# KiCad board INS-1 Matrix Display.kicad_pcb (continued)
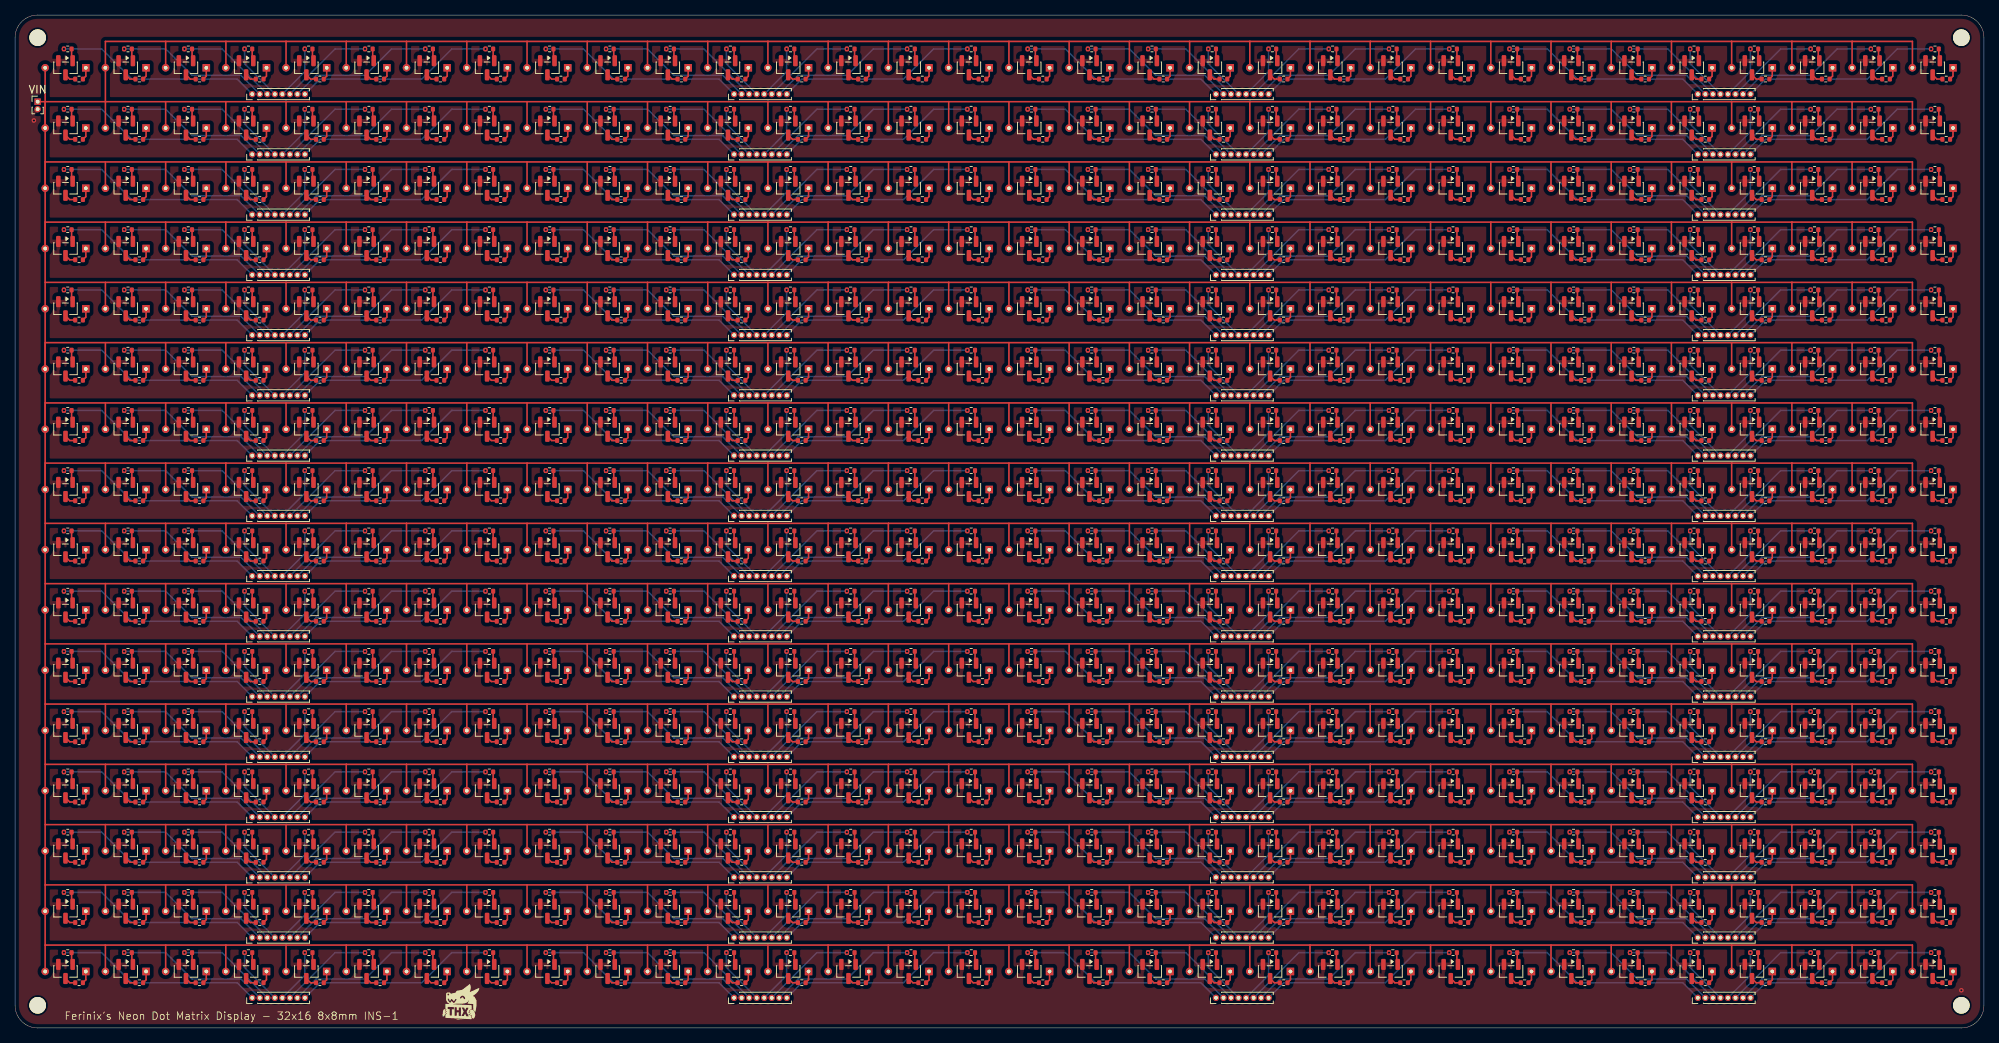
[diagram p0: board, top side]
## Placement (name value [footprint] x y rotation side) (continued)
REF**#33  INS-1  [INS-1 Footprint]  246.69 79.5 0 top
REF**#34  INS-1  [INS-1 Footprint]  118.69 39.5 0 top
REF**#35  INS-1  [INS-1 Footprint]  190.69 23.5 0 top
REF**#36  INS-1  [INS-1 Footprint]  214.7 95.5 0 top
REF**#37  INS-1  [INS-1 Footprint]  6.7 127.5 0 top
REF**#38  INS-1  [INS-1 Footprint]  86.7 95.5 0 top
REF**#39  INS-1  [INS-1 Footprint]  190.69 127.5 0 top
REF**#40  INS-1  [INS-1 Footprint]  38.69 71.5 0 top
REF**#41  INS-1  [INS-1 Footprint]  134.7 87.5 0 top
REF**#42  INS-1  [INS-1 Footprint]  102.69 111.5 0 top
REF**#43  INS-1  [INS-1 Footprint]  110.69 15.5 0 top
REF**#44  INS-1  [INS-1 Footprint]  134.7 7.5 0 top
REF**#45  INS-1  [INS-1 Footprint]  14.7 71.5 0 top
REF**#46  INS-1  [INS-1 Footprint]  62.69 79.5 0 top
REF**#47  INS-1  [INS-1 Footprint]  206.7 111.5 0 top
REF**#48  INS-1  [INS-1 Footprint]  38.69 63.5 0 top
REF**#49  INS-1  [INS-1 Footprint]  86.7 7.5 0 top
REF**#50  INS-1  [INS-1 Footprint]  6.7 39.5 0 top
REF**#51  INS-1  [INS-1 Footprint]  62.69 47.5 0 top
REF**#52  INS-1  [INS-1 Footprint]  118.69 63.5 0 top
REF**#53  INS-1  [INS-1 Footprint]  166.69 127.5 0 top
REF**#54  INS-1  [INS-1 Footprint]  94.69 79.5 0 top
REF**#55  INS-1  [INS-1 Footprint]  166.69 111.5 0 top
REF**#56  INS-1  [INS-1 Footprint]  14.7 127.5 0 top
REF**#57  INS-1  [INS-1 Footprint]  206.7 31.5 0 top
REF**#58  INS-1  [INS-1 Footprint]  230.69 7.5 0 top
REF**#59  INS-1  [INS-1 Footprint]  182.69 79.5 0 top
REF**#60  INS-1  [INS-1 Footprint]  110.69 95.5 0 top
REF**#61  INS-1  [INS-1 Footprint]  6.7 87.5 0 top
REF**#62  INS-1  [INS-1 Footprint]  246.69 31.5 0 top
REF**#63  INS-1  [INS-1 Footprint]  6.7 111.5 0 top
REF**#64  INS-1  [INS-1 Footprint]  62.69 87.5 0 top
REF**#65  INS-1  [INS-1 Footprint]  150.7 103.5 0 top
REF**#66  INS-1  [INS-1 Footprint]  190.69 31.5 0 top
REF**#67  INS-1  [INS-1 Footprint]  158.69 63.5 0 top
REF**#68  INS-1  [INS-1 Footprint]  174.69 39.5 0 top
REF**#69  INS-1  [INS-1 Footprint]  78.7 7.5 0 top
REF**#70  INS-1  [INS-1 Footprint]  54.69 55.5 0 top
REF**#71  INS-1  [INS-1 Footprint]  118.69 87.5 0 top
REF**#72  INS-1  [INS-1 Footprint]  110.69 103.5 0 top
REF**#73  INS-1  [INS-1 Footprint]  182.69 7.5 0 top
REF**#74  INS-1  [INS-1 Footprint]  254.69 111.5 0 top
REF**#75  INS-1  [INS-1 Footprint]  110.69 127.5 0 top
REF**#76  INS-1  [INS-1 Footprint]  6.7 7.5 0 top
REF**#77  INS-1  [INS-1 Footprint]  22.7 31.5 0 top
REF**#78  INS-1  [INS-1 Footprint]  54.69 23.5 0 top
REF**#79  INS-1  [INS-1 Footprint]  62.69 103.5 0 top
REF**#80  INS-1  [INS-1 Footprint]  126.69 127.5 0 top
REF**#81  INS-1  [INS-1 Footprint]  126.69 87.5 0 top
REF**#82  INS-1  [INS-1 Footprint]  182.69 111.5 0 top
REF**#83  INS-1  [INS-1 Footprint]  182.69 71.5 0 top
REF**#84  INS-1  [INS-1 Footprint]  182.69 87.5 0 top
REF**#85  INS-1  [INS-1 Footprint]  230.69 95.5 0 top
REF**#86  INS-1  [INS-1 Footprint]  86.7 39.5 0 top
REF**#87  INS-1  [INS-1 Footprint]  38.69 127.5 0 top
REF**#88  INS-1  [INS-1 Footprint]  134.7 111.5 0 top
REF**#89  INS-1  [INS-1 Footprint]  158.69 15.5 0 top
REF**#90  INS-1  [INS-1 Footprint]  14.7 31.5 0 top
REF**#91  INS-1  [INS-1 Footprint]  78.7 79.5 0 top
REF**#92  INS-1  [INS-1 Footprint]  86.7 55.5 0 top
REF**#93  INS-1  [INS-1 Footprint]  134.7 63.5 0 top
REF**#94  INS-1  [INS-1 Footprint]  70.7 23.5 0 top
REF**#95  INS-1  [INS-1 Footprint]  86.7 63.5 0 top
REF**#96  INS-1  [INS-1 Footprint]  38.69 79.5 0 top
REF**#97  INS-1  [INS-1 Footprint]  30.69 71.5 0 top
REF**#98  INS-1  [INS-1 Footprint]  238.69 31.5 0 top
REF**#99  INS-1  [INS-1 Footprint]  198.7 71.5 0 top
REF**#100  INS-1  [INS-1 Footprint]  14.7 111.5 0 top
REF**#101  INS-1  [INS-1 Footprint]  182.69 23.5 0 top
REF**#102  INS-1  [INS-1 Footprint]  166.69 55.5 0 top
REF**#103  INS-1  [INS-1 Footprint]  86.7 23.5 0 top
REF**#104  INS-1  [INS-1 Footprint]  182.69 103.5 0 top
REF**#105  INS-1  [INS-1 Footprint]  182.69 127.5 0 top
REF**#106  INS-1  [INS-1 Footprint]  150.7 79.5 0 top
REF**#107  INS-1  [INS-1 Footprint]  182.69 15.5 0 top
REF**#108  INS-1  [INS-1 Footprint]  214.7 31.5 0 top
REF**#109  INS-1  [INS-1 Footprint]  222.69 23.5 0 top
REF**#110  INS-1  [INS-1 Footprint]  118.69 71.5 0 top
REF**#111  INS-1  [INS-1 Footprint]  230.69 47.5 0 top
REF**#112  INS-1  [INS-1 Footprint]  102.69 7.5 0 top
REF**#113  INS-1  [INS-1 Footprint]  254.69 119.5 0 top
REF**#114  INS-1  [INS-1 Footprint]  222.69 87.5 0 top
REF**#115  INS-1  [INS-1 Footprint]  174.69 87.5 0 top
REF**#116  INS-1  [INS-1 Footprint]  150.7 23.5 0 top
REF**#117  INS-1  [INS-1 Footprint]  78.7 111.5 0 top
REF**#118  INS-1  [INS-1 Footprint]  214.7 71.5 0 top
REF**#119  INS-1  [INS-1 Footprint]  174.69 79.5 0 top
REF**#120  INS-1  [INS-1 Footprint]  94.69 55.5 0 top
REF**#121  INS-1  [INS-1 Footprint]  150.7 71.5 0 top
REF**#122  INS-1  [INS-1 Footprint]  30.69 7.5 0 top
REF**#123  INS-1  [INS-1 Footprint]  150.7 31.5 0 top
REF**#124  -  [MountingHole_2.2mm_M2]  258.5 3 0 top
REF**#125  INS-1  [INS-1 Footprint]  246.69 55.5 0 top
REF**#126  INS-1  [INS-1 Footprint]  222.69 7.5 0 top
REF**#127  INS-1  [INS-1 Footprint]  134.7 103.5 0 top
REF**#128  INS-1  [INS-1 Footprint]  46.69 71.5 0 top
REF**#129  INS-1  [INS-1 Footprint]  62.69 23.5 0 top
REF**#130  INS-1  [INS-1 Footprint]  70.7 7.5 0 top
REF**#131  INS-1  [INS-1 Footprint]  222.69 79.5 0 top
REF**#132  INS-1  [INS-1 Footprint]  126.69 71.5 0 top
REF**#133  INS-1  [INS-1 Footprint]  54.69 79.5 0 top
REF**#134  INS-1  [INS-1 Footprint]  22.7 15.5 0 top
REF**#135  INS-1  [INS-1 Footprint]  246.69 103.5 0 top
REF**#136  INS-1  [INS-1 Footprint]  102.69 39.5 0 top
REF**#137  INS-1  [INS-1 Footprint]  238.69 103.5 0 top
REF**#138  INS-1  [INS-1 Footprint]  62.69 55.5 0 top
REF**#139  INS-1  [INS-1 Footprint]  110.69 111.5 0 top
REF**#140  INS-1  [INS-1 Footprint]  198.7 7.5 0 top
REF**#141  INS-1  [INS-1 Footprint]  70.7 39.5 0 top
REF**#142  INS-1  [INS-1 Footprint]  230.69 71.5 0 top
REF**#143  INS-1  [INS-1 Footprint]  38.69 55.5 0 top
REF**#144  INS-1  [INS-1 Footprint]  158.69 103.5 0 top
REF**#145  INS-1  [INS-1 Footprint]  142.7 47.5 0 top
REF**#146  INS-1  [INS-1 Footprint]  158.69 23.5 0 top
REF**#147  INS-1  [INS-1 Footprint]  230.69 119.5 0 top
REF**#148  INS-1  [INS-1 Footprint]  78.7 87.5 0 top
REF**#149  -  [MountingHole_2.2mm_M2]  3 3 0 top
REF**#150  INS-1  [INS-1 Footprint]  238.69 79.5 0 top
REF**#151  INS-1  [INS-1 Footprint]  102.69 71.5 0 top
REF**#152  INS-1  [INS-1 Footprint]  102.69 79.5 0 top
REF**#153  INS-1  [INS-1 Footprint]  158.69 95.5 0 top
REF**#154  INS-1  [INS-1 Footprint]  78.7 47.5 0 top
REF**#155  INS-1  [INS-1 Footprint]  126.69 79.5 0 top
REF**#156  INS-1  [INS-1 Footprint]  30.69 103.5 0 top
REF**#157  INS-1  [INS-1 Footprint]  70.7 47.5 0 top
REF**#158  INS-1  [INS-1 Footprint]  102.69 127.5 0 top
REF**#159  INS-1  [INS-1 Footprint]  238.69 111.5 0 top
REF**#160  INS-1  [INS-1 Footprint]  246.69 7.5 0 top
REF**#161  INS-1  [INS-1 Footprint]  214.7 63.5 0 top
REF**#162  INS-1  [INS-1 Footprint]  142.7 95.5 0 top
REF**#163  INS-1  [INS-1 Footprint]  174.69 119.5 0 top
REF**#164  INS-1  [INS-1 Footprint]  254.69 7.5 0 top
REF**#165  INS-1  [INS-1 Footprint]  78.7 23.5 0 top
REF**#166  INS-1  [INS-1 Footprint]  78.7 55.5 0 top
REF**#167  INS-1  [INS-1 Footprint]  54.69 71.5 0 top
REF**#168  INS-1  [INS-1 Footprint]  206.7 119.5 0 top
REF**#169  INS-1  [INS-1 Footprint]  22.7 95.5 0 top
REF**#170  INS-1  [INS-1 Footprint]  190.69 79.5 0 top
REF**#171  INS-1  [INS-1 Footprint]  70.7 103.5 0 top
REF**#172  INS-1  [INS-1 Footprint]  30.69 39.5 0 top
REF**#173  INS-1  [INS-1 Footprint]  110.69 55.5 0 top
REF**#174  INS-1  [INS-1 Footprint]  14.7 55.5 0 top
REF**#175  INS-1  [INS-1 Footprint]  222.69 127.5 0 top
REF**#176  INS-1  [INS-1 Footprint]  46.69 95.5 0 top
REF**#177  INS-1  [INS-1 Footprint]  142.7 39.5 0 top
REF**#178  INS-1  [INS-1 Footprint]  94.69 63.5 0 top
REF**#179  INS-1  [INS-1 Footprint]  14.7 23.5 0 top
REF**#180  INS-1  [INS-1 Footprint]  214.7 103.5 0 top
REF**#181  INS-1  [INS-1 Footprint]  134.7 71.5 0 top
REF**#182  INS-1  [INS-1 Footprint]  54.69 31.5 0 top
REF**#183  INS-1  [INS-1 Footprint]  238.69 55.5 0 top
REF**#184  INS-1  [INS-1 Footprint]  190.69 87.5 0 top
REF**#185  INS-1  [INS-1 Footprint]  246.69 95.5 0 top
REF**#186  INS-1  [INS-1 Footprint]  230.69 31.5 0 top
REF**#187  INS-1  [INS-1 Footprint]  142.7 71.5 0 top
REF**#188  INS-1  [INS-1 Footprint]  70.7 71.5 0 top
REF**#189  INS-1  [INS-1 Footprint]  206.7 15.5 0 top
REF**#190  INS-1  [INS-1 Footprint]  214.7 79.5 0 top
REF**#191  INS-1  [INS-1 Footprint]  254.69 79.5 0 top
REF**#192  INS-1  [INS-1 Footprint]  166.69 63.5 0 top
REF**#193  INS-1  [INS-1 Footprint]  126.69 15.5 0 top
REF**#194  INS-1  [INS-1 Footprint]  62.69 127.5 0 top
REF**#195  INS-1  [INS-1 Footprint]  22.7 63.5 0 top
REF**#196  INS-1  [INS-1 Footprint]  110.69 47.5 0 top
REF**#197  INS-1  [INS-1 Footprint]  206.7 63.5 0 top
REF**#198  INS-1  [INS-1 Footprint]  22.7 79.5 0 top
REF**#199  INS-1  [INS-1 Footprint]  222.69 71.5 0 top
REF**#200  INS-1  [INS-1 Footprint]  134.7 47.5 0 top
REF**#201  INS-1  [INS-1 Footprint]  86.7 127.5 0 top
REF**#202  INS-1  [INS-1 Footprint]  150.7 119.5 0 top
REF**#203  INS-1  [INS-1 Footprint]  142.7 127.5 0 top
REF**#204  INS-1  [INS-1 Footprint]  238.69 7.5 0 top
REF**#205  INS-1  [INS-1 Footprint]  214.7 47.5 0 top
REF**#206  INS-1  [INS-1 Footprint]  214.7 55.5 0 top
REF**#207  INS-1  [INS-1 Footprint]  150.7 7.5 0 top
REF**#208  INS-1  [INS-1 Footprint]  198.7 47.5 0 top
REF**#209  INS-1  [INS-1 Footprint]  54.69 7.5 0 top
REF**#210  INS-1  [INS-1 Footprint]  246.69 47.5 0 top
REF**#211  INS-1  [INS-1 Footprint]  190.69 47.5 0 top
REF**#212  INS-1  [INS-1 Footprint]  174.69 103.5 0 top
REF**#213  INS-1  [INS-1 Footprint]  222.69 119.5 0 top
REF**#214  INS-1  [INS-1 Footprint]  110.69 79.5 0 top
REF**#215  INS-1  [INS-1 Footprint]  238.69 87.5 0 top
REF**#216  INS-1  [INS-1 Footprint]  78.7 95.5 0 top
REF**#217  INS-1  [INS-1 Footprint]  198.7 111.5 0 top
REF**#218  INS-1  [INS-1 Footprint]  54.69 111.5 0 top
REF**#219  INS-1  [INS-1 Footprint]  78.7 127.5 0 top
REF**#220  INS-1  [INS-1 Footprint]  174.69 71.5 0 top
REF**#221  INS-1  [INS-1 Footprint]  134.7 39.5 0 top
REF**#222  INS-1  [INS-1 Footprint]  198.7 87.5 0 top
REF**#223  INS-1  [INS-1 Footprint]  14.7 15.5 0 top
REF**#224  INS-1  [INS-1 Footprint]  214.7 87.5 0 top
REF**#225  INS-1  [INS-1 Footprint]  70.7 127.5 0 top
REF**#226  INS-1  [INS-1 Footprint]  70.7 15.5 0 top
REF**#227  INS-1  [INS-1 Footprint]  222.69 103.5 0 top
REF**#228  INS-1  [INS-1 Footprint]  222.69 63.5 0 top
REF**#229  INS-1  [INS-1 Footprint]  62.69 71.5 0 top
REF**#230  INS-1  [INS-1 Footprint]  254.69 87.5 0 top
REF**#231  INS-1  [INS-1 Footprint]  94.69 39.5 0 top
REF**#232  INS-1  [INS-1 Footprint]  166.69 119.5 0 top
REF**#233  INS-1  [INS-1 Footprint]  158.69 55.5 0 top
REF**#234  INS-1  [INS-1 Footprint]  62.69 95.5 0 top
REF**#235  INS-1  [INS-1 Footprint]  198.7 95.5 0 top
REF**#236  INS-1  [INS-1 Footprint]  230.69 15.5 0 top
REF**#237  INS-1  [INS-1 Footprint]  182.69 31.5 0 top
REF**#238  INS-1  [INS-1 Footprint]  46.69 87.5 0 top
REF**#239  INS-1  [INS-1 Footprint]  38.69 87.5 0 top
REF**#240  INS-1  [INS-1 Footprint]  126.69 95.5 0 top
REF**#241  INS-1  [INS-1 Footprint]  118.69 119.5 0 top
REF**#242  INS-1  [INS-1 Footprint]  134.7 15.5 0 top
REF**#243  INS-1  [INS-1 Footprint]  150.7 47.5 0 top
REF**#244  INS-1  [INS-1 Footprint]  166.69 23.5 0 top
REF**#245  INS-1  [INS-1 Footprint]  206.7 23.5 0 top
REF**#246  INS-1  [INS-1 Footprint]  254.69 71.5 0 top
REF**#247  INS-1  [INS-1 Footprint]  246.69 63.5 0 top
REF**#248  INS-1  [INS-1 Footprint]  102.69 87.5 0 top
REF**#249  INS-1  [INS-1 Footprint]  142.7 119.5 0 top
REF**#250  INS-1  [INS-1 Footprint]  134.7 31.5 0 top
REF**#251  INS-1  [INS-1 Footprint]  94.69 127.5 0 top
REF**#252  INS-1  [INS-1 Footprint]  126.69 111.5 0 top
REF**#253  INS-1  [INS-1 Footprint]  14.7 95.5 0 top
REF**#254  INS-1  [INS-1 Footprint]  126.69 23.5 0 top
REF**#255  INS-1  [INS-1 Footprint]  94.69 95.5 0 top
REF**#256  INS-1  [INS-1 Footprint]  54.69 103.5 0 top
REF**#257  INS-1  [INS-1 Footprint]  190.69 71.5 0 top
REF**#258  INS-1  [INS-1 Footprint]  238.69 63.5 0 top
REF**#259  INS-1  [INS-1 Footprint]  118.69 127.5 0 top
REF**#260  INS-1  [INS-1 Footprint]  230.69 39.5 0 top
REF**#261  INS-1  [INS-1 Footprint]  158.69 7.5 0 top
REF**#262  INS-1  [INS-1 Footprint]  102.69 47.5 0 top
REF**#263  INS-1  [INS-1 Footprint]  62.69 111.5 0 top
REF**#264  INS-1  [INS-1 Footprint]  22.7 55.5 0 top
REF**#265  INS-1  [INS-1 Footprint]  158.69 47.5 0 top
REF**#266  INS-1  [INS-1 Footprint]  110.69 31.5 0 top
REF**#267  INS-1  [INS-1 Footprint]  14.7 79.5 0 top
REF**#268  INS-1  [INS-1 Footprint]  110.69 63.5 0 top
REF**#269  INS-1  [INS-1 Footprint]  46.69 7.5 0 top
REF**#270  INS-1  [INS-1 Footprint]  198.7 55.5 0 top
REF**#271  INS-1  [INS-1 Footprint]  198.7 119.5 0 top
REF**#272  INS-1  [INS-1 Footprint]  230.69 87.5 0 top
REF**#273  INS-1  [INS-1 Footprint]  222.69 111.5 0 top
REF**#274  INS-1  [INS-1 Footprint]  254.69 47.5 0 top
REF**#275  INS-1  [INS-1 Footprint]  62.69 39.5 0 top
REF**#276  INS-1  [INS-1 Footprint]  238.69 23.5 0 top
REF**#277  INS-1  [INS-1 Footprint]  30.69 127.5 0 top
REF**#278  INS-1  [INS-1 Footprint]  70.7 95.5 0 top
REF**#279  INS-1  [INS-1 Footprint]  30.69 47.5 0 top
REF**#280  INS-1  [INS-1 Footprint]  142.7 55.5 0 top
REF**#281  INS-1  [INS-1 Footprint]  142.7 87.5 0 top
REF**#282  INS-1  [INS-1 Footprint]  158.69 79.5 0 top
REF**#283  INS-1  [INS-1 Footprint]  54.69 127.5 0 top
REF**#284  INS-1  [INS-1 Footprint]  230.69 55.5 0 top
REF**#285  INS-1  [INS-1 Footprint]  206.7 7.5 0 top
REF**#286  INS-1  [INS-1 Footprint]  62.69 31.5 0 top
REF**#287  INS-1  [INS-1 Footprint]  222.69 31.5 0 top
REF**#288  INS-1  [INS-1 Footprint]  30.69 15.5 0 top
REF**#289  INS-1  [INS-1 Footprint]  254.69 15.5 0 top
REF**#290  INS-1  [INS-1 Footprint]  46.69 15.5 0 top
REF**#291  INS-1  [INS-1 Footprint]  222.69 95.5 0 top
REF**#292  INS-1  [INS-1 Footprint]  238.69 39.5 0 top
REF**#293  INS-1  [INS-1 Footprint]  30.69 63.5 0 top
REF**#294  INS-1  [INS-1 Footprint]  190.69 39.5 0 top
REF**#295  INS-1  [INS-1 Footprint]  198.7 103.5 0 top
REF**#296  INS-1  [INS-1 Footprint]  118.69 95.5 0 top
REF**#297  INS-1  [INS-1 Footprint]  126.69 119.5 0 top
REF**#298  INS-1  [INS-1 Footprint]  30.69 79.5 0 top
REF**#299  INS-1  [INS-1 Footprint]  142.7 15.5 0 top
REF**#300  INS-1  [INS-1 Footprint]  246.69 87.5 0 top
REF**#301  INS-1  [INS-1 Footprint]  118.69 23.5 0 top
REF**#302  INS-1  [INS-1 Footprint]  110.69 71.5 0 top
REF**#303  INS-1  [INS-1 Footprint]  118.69 111.5 0 top
REF**#304  INS-1  [INS-1 Footprint]  38.69 7.5 0 top
REF**#305  INS-1  [INS-1 Footprint]  110.69 7.5 0 top
REF**#306  INS-1  [INS-1 Footprint]  54.69 95.5 0 top
REF**#307  INS-1  [INS-1 Footprint]  38.69 95.5 0 top
REF**#308  INS-1  [INS-1 Footprint]  166.69 47.5 0 top
REF**#309  INS-1  [INS-1 Footprint]  102.69 15.5 0 top
REF**#310  INS-1  [INS-1 Footprint]  134.7 55.5 0 top
REF**#311  INS-1  [INS-1 Footprint]  70.7 79.5 0 top
REF**#312  INS-1  [INS-1 Footprint]  14.7 87.5 0 top
REF**#313  INS-1  [INS-1 Footprint]  46.69 127.5 0 top
REF**#314  INS-1  [INS-1 Footprint]  142.7 79.5 0 top
REF**#315  INS-1  [INS-1 Footprint]  22.7 127.5 0 top
REF**#316  INS-1  [INS-1 Footprint]  190.69 111.5 0 top
REF**#317  INS-1  [INS-1 Footprint]  206.7 127.5 0 top
REF**#318  INS-1  [INS-1 Footprint]  206.7 103.5 0 top
REF**#319  INS-1  [INS-1 Footprint]  22.7 23.5 0 top
REF**#320  INS-1  [INS-1 Footprint]  118.69 55.5 0 top
REF**#321  INS-1  [INS-1 Footprint]  190.69 63.5 0 top
REF**#322  INS-1  [INS-1 Footprint]  206.7 71.5 0 top
REF**#323  INS-1  [INS-1 Footprint]  182.69 55.5 0 top
REF**#324  INS-1  [INS-1 Footprint]  30.69 23.5 0 top
REF**#325  INS-1  [INS-1 Footprint]  174.69 7.5 0 top
REF**#326  INS-1  [INS-1 Footprint]  110.69 23.5 0 top
REF**#327  INS-1  [INS-1 Footprint]  206.7 39.5 0 top
REF**#328  INS-1  [INS-1 Footprint]  190.69 7.5 0 top
REF**#329  INS-1  [INS-1 Footprint]  22.7 103.5 0 top
REF**#330  INS-1  [INS-1 Footprint]  190.69 15.5 0 top
REF**#331  INS-1  [INS-1 Footprint]  238.69 127.5 0 top
REF**#332  INS-1  [INS-1 Footprint]  166.69 87.5 0 top
REF**#333  INS-1  [INS-1 Footprint]  6.7 47.5 0 top
REF**#334  INS-1  [INS-1 Footprint]  54.69 15.5 0 top
REF**#335  INS-1  [INS-1 Footprint]  38.69 119.5 0 top
REF**#336  INS-1  [INS-1 Footprint]  22.7 39.5 0 top
REF**#337  INS-1  [INS-1 Footprint]  110.69 87.5 0 top
REF**#338  INS-1  [INS-1 Footprint]  30.69 31.5 0 top
REF**#339  INS-1  [INS-1 Footprint]  102.69 31.5 0 top
REF**#340  INS-1  [INS-1 Footprint]  118.69 15.5 0 top
REF**#341  INS-1  [INS-1 Footprint]  86.7 15.5 0 top
REF**#342  INS-1  [INS-1 Footprint]  166.69 7.5 0 top
REF**#343  INS-1  [INS-1 Footprint]  158.69 119.5 0 top
REF**#344  INS-1  [INS-1 Footprint]  110.69 39.5 0 top
REF**#345  INS-1  [INS-1 Footprint]  206.7 95.5 0 top
REF**#346  INS-1  [INS-1 Footprint]  46.69 55.5 0 top
REF**#347  INS-1  [INS-1 Footprint]  30.69 95.5 0 top
REF**#348  INS-1  [INS-1 Footprint]  150.7 63.5 0 top
REF**#349  INS-1  [INS-1 Footprint]  46.69 103.5 0 top
REF**#350  INS-1  [INS-1 Footprint]  22.7 119.5 0 top
REF**#351  INS-1  [INS-1 Footprint]  198.7 23.5 0 top
REF**#352  INS-1  [INS-1 Footprint]  142.7 103.5 0 top
REF**#353  INS-1  [INS-1 Footprint]  62.69 15.5 0 top
REF**#354  INS-1  [INS-1 Footprint]  142.7 7.5 0 top
REF**#355  INS-1  [INS-1 Footprint]  38.69 39.5 0 top
REF**#356  INS-1  [INS-1 Footprint]  46.69 63.5 0 top
REF**#357  INS-1  [INS-1 Footprint]  198.7 63.5 0 top
REF**#358  INS-1  [INS-1 Footprint]  22.7 71.5 0 top
REF**#359  INS-1  [INS-1 Footprint]  174.69 47.5 0 top
REF**#360  INS-1  [INS-1 Footprint]  70.7 87.5 0 top
REF**#361  INS-1  [INS-1 Footprint]  14.7 47.5 0 top
REF**#362  INS-1  [INS-1 Footprint]  94.69 103.5 0 top
REF**#363  INS-1  [INS-1 Footprint]  54.69 63.5 0 top
REF**#364  INS-1  [INS-1 Footprint]  134.7 127.5 0 top
REF**#365  INS-1  [INS-1 Footprint]  126.69 47.5 0 top
REF**#366  INS-1  [INS-1 Footprint]  198.7 79.5 0 top
REF**#367  INS-1  [INS-1 Footprint]  102.69 95.5 0 top
REF**#368  INS-1  [INS-1 Footprint]  254.69 55.5 0 top
REF**#369  INS-1  [INS-1 Footprint]  214.7 39.5 0 top
REF**#370  INS-1  [INS-1 Footprint]  174.69 127.5 0 top
REF**#371  INS-1  [INS-1 Footprint]  30.69 111.5 0 top
REF**#372  INS-1  [INS-1 Footprint]  14.7 103.5 0 top
REF**#373  INS-1  [INS-1 Footprint]  38.69 47.5 0 top
REF**#374  INS-1  [INS-1 Footprint]  6.7 23.5 0 top
REF**#375  INS-1  [INS-1 Footprint]  94.69 111.5 0 top
REF**#376  INS-1  [INS-1 Footprint]  254.69 23.5 0 top
REF**#377  INS-1  [INS-1 Footprint]  102.69 23.5 0 top
REF**#378  INS-1  [INS-1 Footprint]  102.69 119.5 0 top
REF**#379  INS-1  [INS-1 Footprint]  78.7 71.5 0 top
REF**#380  INS-1  [INS-1 Footprint]  214.7 111.5 0 top
REF**#381  INS-1  [INS-1 Footprint]  174.69 31.5 0 top
REF**#382  INS-1  [INS-1 Footprint]  22.7 87.5 0 top
REF**#383  INS-1  [INS-1 Footprint]  6.7 103.5 0 top
REF**#384  INS-1  [INS-1 Footprint]  86.7 47.5 0 top
REF**#385  INS-1  [INS-1 Footprint]  230.69 127.5 0 top
REF**#386  INS-1  [INS-1 Footprint]  86.7 71.5 0 top
REF**#387  INS-1  [INS-1 Footprint]  14.7 39.5 0 top
REF**#388  INS-1  [INS-1 Footprint]  94.69 7.5 0 top
REF**#389  INS-1  [INS-1 Footprint]  246.69 119.5 0 top
REF**#390  INS-1  [INS-1 Footprint]  166.69 15.5 0 top
REF**#391  INS-1  [INS-1 Footprint]  46.69 47.5 0 top
REF**#392  INS-1  [INS-1 Footprint]  54.69 47.5 0 top
REF**#393  INS-1  [INS-1 Footprint]  134.7 79.5 0 top
REF**#394  INS-1  [INS-1 Footprint]  198.7 31.5 0 top
REF**#395  INS-1  [INS-1 Footprint]  70.7 55.5 0 top
REF**#396  INS-1  [INS-1 Footprint]  54.69 87.5 0 top
REF**#397  INS-1  [INS-1 Footprint]  38.69 103.5 0 top
REF**#398  INS-1  [INS-1 Footprint]  206.7 47.5 0 top
REF**#399  INS-1  [INS-1 Footprint]  134.7 119.5 0 top
REF**#400  INS-1  [INS-1 Footprint]  62.69 119.5 0 top
REF**#401  INS-1  [INS-1 Footprint]  246.69 111.5 0 top
REF**#402  INS-1  [INS-1 Footprint]  142.7 63.5 0 top
REF**#403  INS-1  [INS-1 Footprint]  86.7 79.5 0 top
REF**#404  INS-1  [INS-1 Footprint]  6.7 119.5 0 top
REF**#405  INS-1  [INS-1 Footprint]  174.69 95.5 0 top
REF**#406  INS-1  [INS-1 Footprint]  174.69 55.5 0 top
REF**#407  INS-1  [INS-1 Footprint]  158.69 39.5 0 top
REF**#408  INS-1  [INS-1 Footprint]  22.7 111.5 0 top
REF**#409  INS-1  [INS-1 Footprint]  166.69 39.5 0 top
REF**#410  INS-1  [INS-1 Footprint]  174.69 15.5 0 top
REF**#411  INS-1  [INS-1 Footprint]  214.7 23.5 0 top
REF**#412  INS-1  [INS-1 Footprint]  94.69 71.5 0 top
REF**#413  INS-1  [INS-1 Footprint]  6.7 79.5 0 top
REF**#414  INS-1  [INS-1 Footprint]  150.7 15.5 0 top
REF**#415  INS-1  [INS-1 Footprint]  110.69 119.5 0 top
REF**#416  INS-1  [INS-1 Footprint]  166.69 103.5 0 top
REF**#417  INS-1  [INS-1 Footprint]  246.69 15.5 0 top
REF**#418  INS-1  [INS-1 Footprint]  118.69 47.5 0 top
REF**#419  INS-1  [INS-1 Footprint]  150.7 55.5 0 top
REF**#420  INS-1  [INS-1 Footprint]  86.7 87.5 0 top
REF**#421  INS-1  [INS-1 Footprint]  118.69 79.5 0 top
REF**#422  INS-1  [INS-1 Footprint]  38.69 111.5 0 top
REF**#423  INS-1  [INS-1 Footprint]  246.69 23.5 0 top
REF**#424  INS-1  [INS-1 Footprint]  6.7 71.5 0 top
REF**#425  INS-1  [INS-1 Footprint]  78.7 31.5 0 top
REF**#426  INS-1  [INS-1 Footprint]  102.69 55.5 0 top
REF**#427  INS-1  [INS-1 Footprint]  158.69 127.5 0 top
REF**#428  INS-1  [INS-1 Footprint]  238.69 95.5 0 top
REF**#429  INS-1  [INS-1 Footprint]  54.69 39.5 0 top
REF**#430  INS-1  [INS-1 Footprint]  46.69 119.5 0 top
REF**#431  INS-1  [INS-1 Footprint]  14.7 119.5 0 top
REF**#432  INS-1  [INS-1 Footprint]  246.69 71.5 0 top
REF**#433  INS-1  [INS-1 Footprint]  206.7 79.5 0 top
REF**#434  INS-1  [INS-1 Footprint]  190.69 55.5 0 top
REF**#435  INS-1  [INS-1 Footprint]  70.7 111.5 0 top
REF**#436  INS-1  [INS-1 Footprint]  166.69 79.5 0 top
REF**#437  INS-1  [INS-1 Footprint]  150.7 95.5 0 top
REF**#438  INS-1  [INS-1 Footprint]  94.69 31.5 0 top
REF**#439  INS-1  [INS-1 Footprint]  94.69 23.5 0 top
REF**#440  INS-1  [INS-1 Footprint]  86.7 119.5 0 top
REF**#441  INS-1  [INS-1 Footprint]  222.69 15.5 0 top
REF**#442  INS-1  [INS-1 Footprint]  158.69 71.5 0 top
REF**#443  INS-1  [INS-1 Footprint]  230.69 63.5 0 top
REF**#444  INS-1  [INS-1 Footprint]  174.69 63.5 0 top
REF**#445  INS-1  [INS-1 Footprint]  78.7 15.5 0 top
REF**#446  INS-1  [INS-1 Footprint]  70.7 119.5 0 top
REF**#447  INS-1  [INS-1 Footprint]  46.69 79.5 0 top
REF**#448  INS-1  [INS-1 Footprint]  238.69 119.5 0 top
REF**#449  INS-1  [INS-1 Footprint]  30.69 119.5 0 top
REF**#450  INS-1  [INS-1 Footprint]  142.7 111.5 0 top
REF**#451  INS-1  [INS-1 Footprint]  238.69 15.5 0 top
REF**#452  INS-1  [INS-1 Footprint]  254.69 127.5 0 top
REF**#453  INS-1  [INS-1 Footprint]  118.69 103.5 0 top
REF**#454  INS-1  [INS-1 Footprint]  126.69 39.5 0 top
REF**#455  INS-1  [INS-1 Footprint]  30.69 87.5 0 top
REF**#456  INS-1  [INS-1 Footprint]  118.69 7.5 0 top
REF**#457  INS-1  [INS-1 Footprint]  54.69 119.5 0 top
REF**#458  INS-1  [INS-1 Footprint]  254.69 63.5 0 top
REF**#459  INS-1  [INS-1 Footprint]  94.69 15.5 0 top
REF**#460  INS-1  [INS-1 Footprint]  86.7 31.5 0 top
REF**#461  INS-1  [INS-1 Footprint]  46.69 31.5 0 top
REF**#462  INS-1  [INS-1 Footprint]  182.69 63.5 0 top
REF**#463  INS-1  [INS-1 Footprint]  118.69 31.5 0 top
REF**#464  INS-1  [INS-1 Footprint]  62.69 63.5 0 top
REF**#465  INS-1  [INS-1 Footprint]  158.69 111.5 0 top
REF**#466  INS-1  [INS-1 Footprint]  30.69 55.5 0 top
REF**#467  INS-1  [INS-1 Footprint]  126.69 7.5 0 top
REF**#468  INS-1  [INS-1 Footprint]  222.69 39.5 0 top
REF**#469  INS-1  [INS-1 Footprint]  70.7 31.5 0 top
REF**#470  INS-1  [INS-1 Footprint]  174.69 111.5 0 top
REF**#471  INS-1  [INS-1 Footprint]  14.7 63.5 0 top
REF**#472  INS-1  [INS-1 Footprint]  150.7 39.5 0 top
REF**#473  INS-1  [INS-1 Footprint]  230.69 79.5 0 top
REF**#474  INS-1  [INS-1 Footprint]  126.69 55.5 0 top
REF**#475  INS-1  [INS-1 Footprint]  94.69 87.5 0 top
REF**#476  INS-1  [INS-1 Footprint]  78.7 103.5 0 top
REF**#477  INS-1  [INS-1 Footprint]  190.69 103.5 0 top
REF**#478  INS-1  [INS-1 Footprint]  246.69 127.5 0 top
REF**#479  INS-1  [INS-1 Footprint]  134.7 23.5 0 top
REF**#480  INS-1  [INS-1 Footprint]  38.69 15.5 0 top
REF**#481  INS-1  [INS-1 Footprint]  166.69 31.5 0 top
REF**#482  INS-1  [INS-1 Footprint]  254.69 31.5 0 top
REF**#483  INS-1  [INS-1 Footprint]  230.69 111.5 0 top
REF**#484  INS-1  [INS-1 Footprint]  246.69 39.5 0 top
REF**#485  INS-1  [INS-1 Footprint]  22.7 47.5 0 top
REF**#486  INS-1  [INS-1 Footprint]  6.7 31.5 0 top
REF**#487  INS-1  [INS-1 Footprint]  38.69 23.5 0 top
REF**#488  INS-1  [INS-1 Footprint]  198.7 127.5 0 top
REF**#489  INS-1  [INS-1 Footprint]  182.69 119.5 0 top
REF**#490  INS-1  [INS-1 Footprint]  214.7 15.5 0 top
REF**#491  INS-1  [INS-1 Footprint]  86.7 111.5 0 top
REF**#492  INS-1  [INS-1 Footprint]  166.69 71.5 0 top
